# Altium PCB PiTopUSBHub.PcbDoc
Units mm, origin at the board's own origin, x right, y up, seen from the top; angles counter-clockwise.
Board outline 74.62 x 84.41 mm, 2 copper layers (Top Layer, Bottom Layer), stack 1.071 mm thick; 39 components, 35 nets, 177 pads, 39 vias.
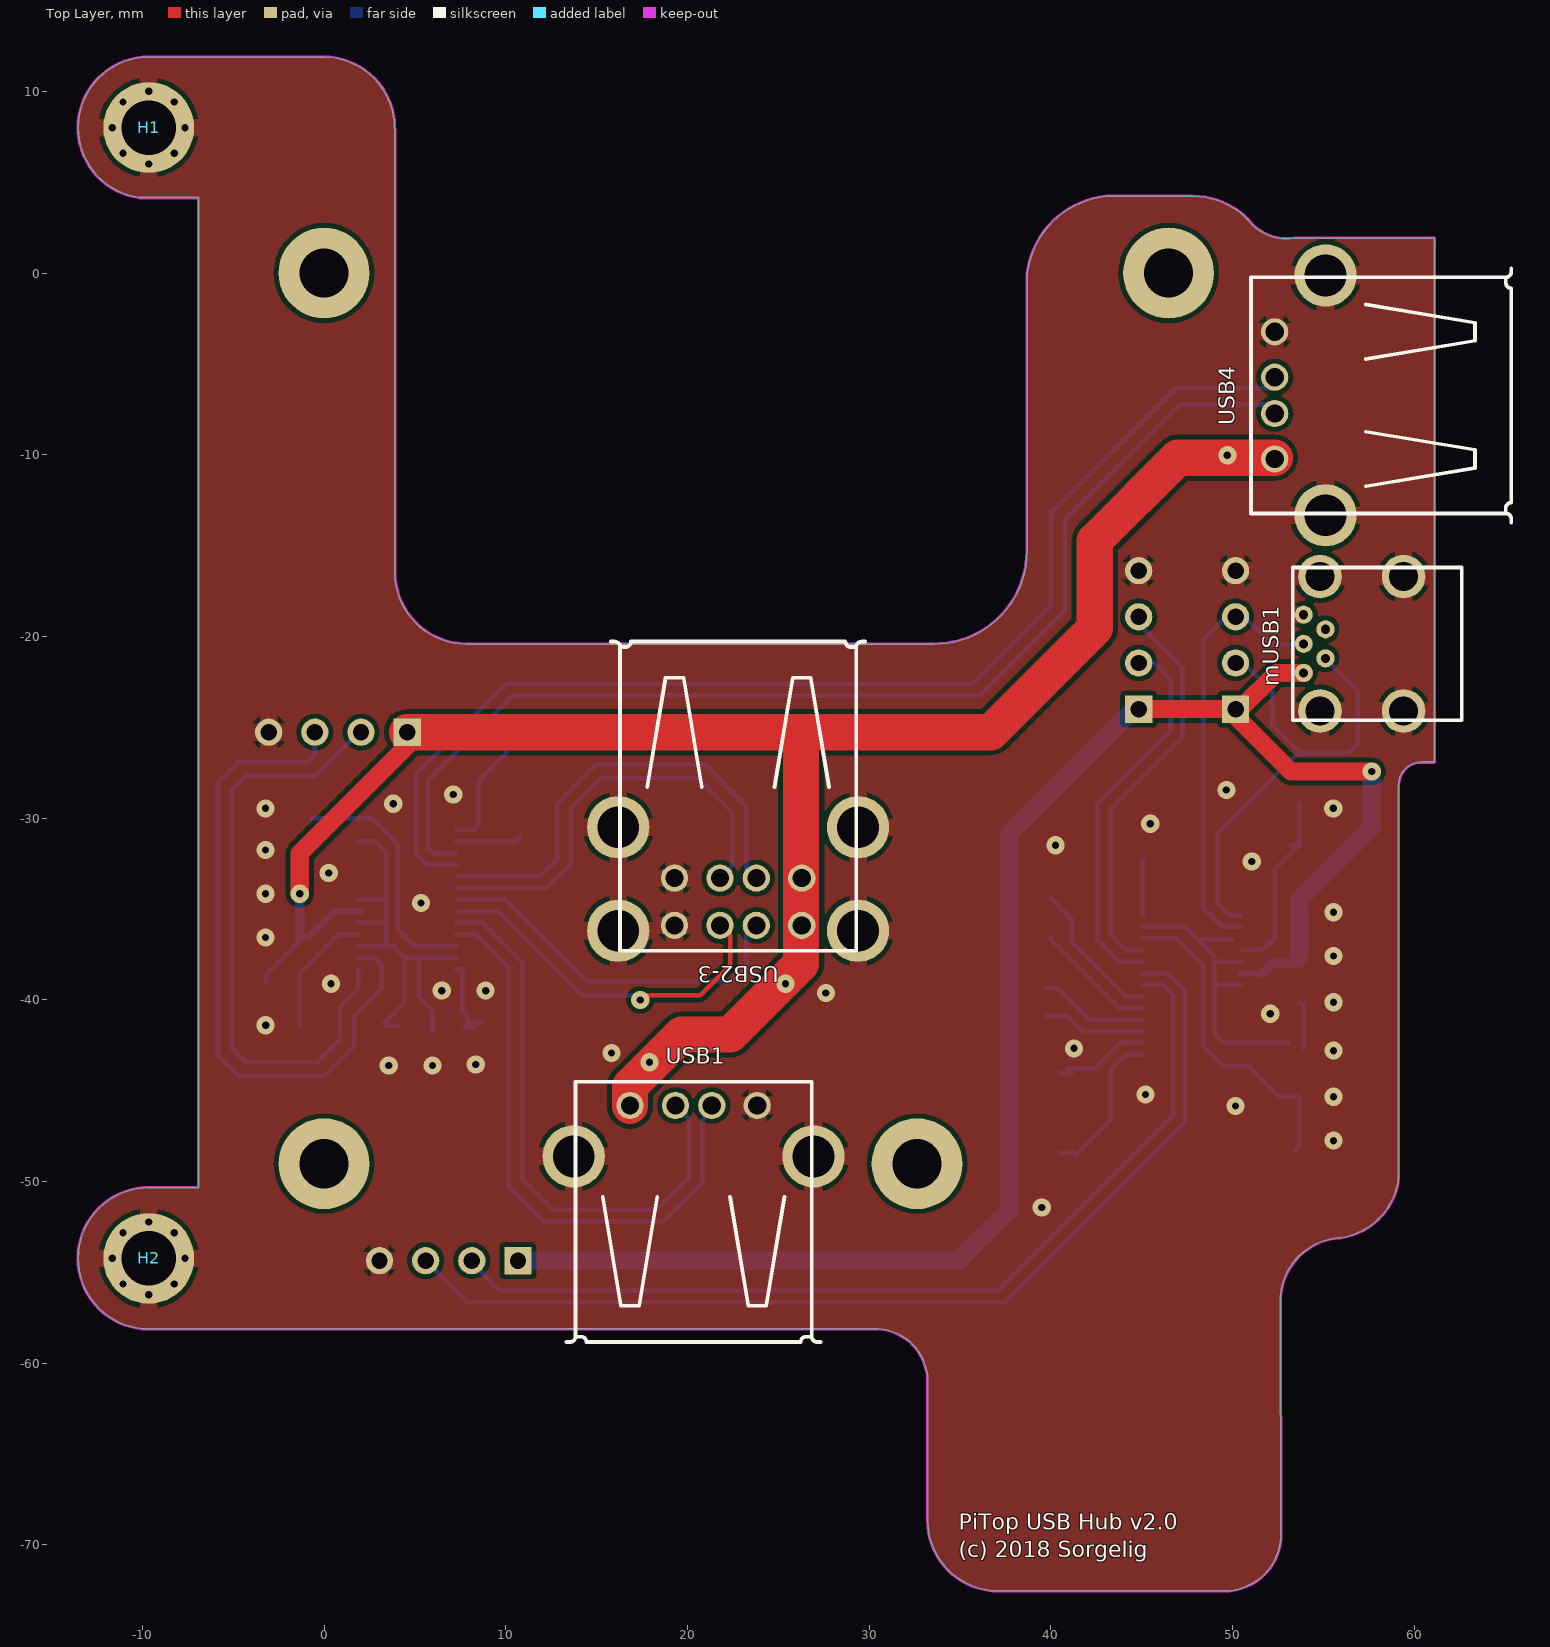
[diagram p0: Top Layer view]
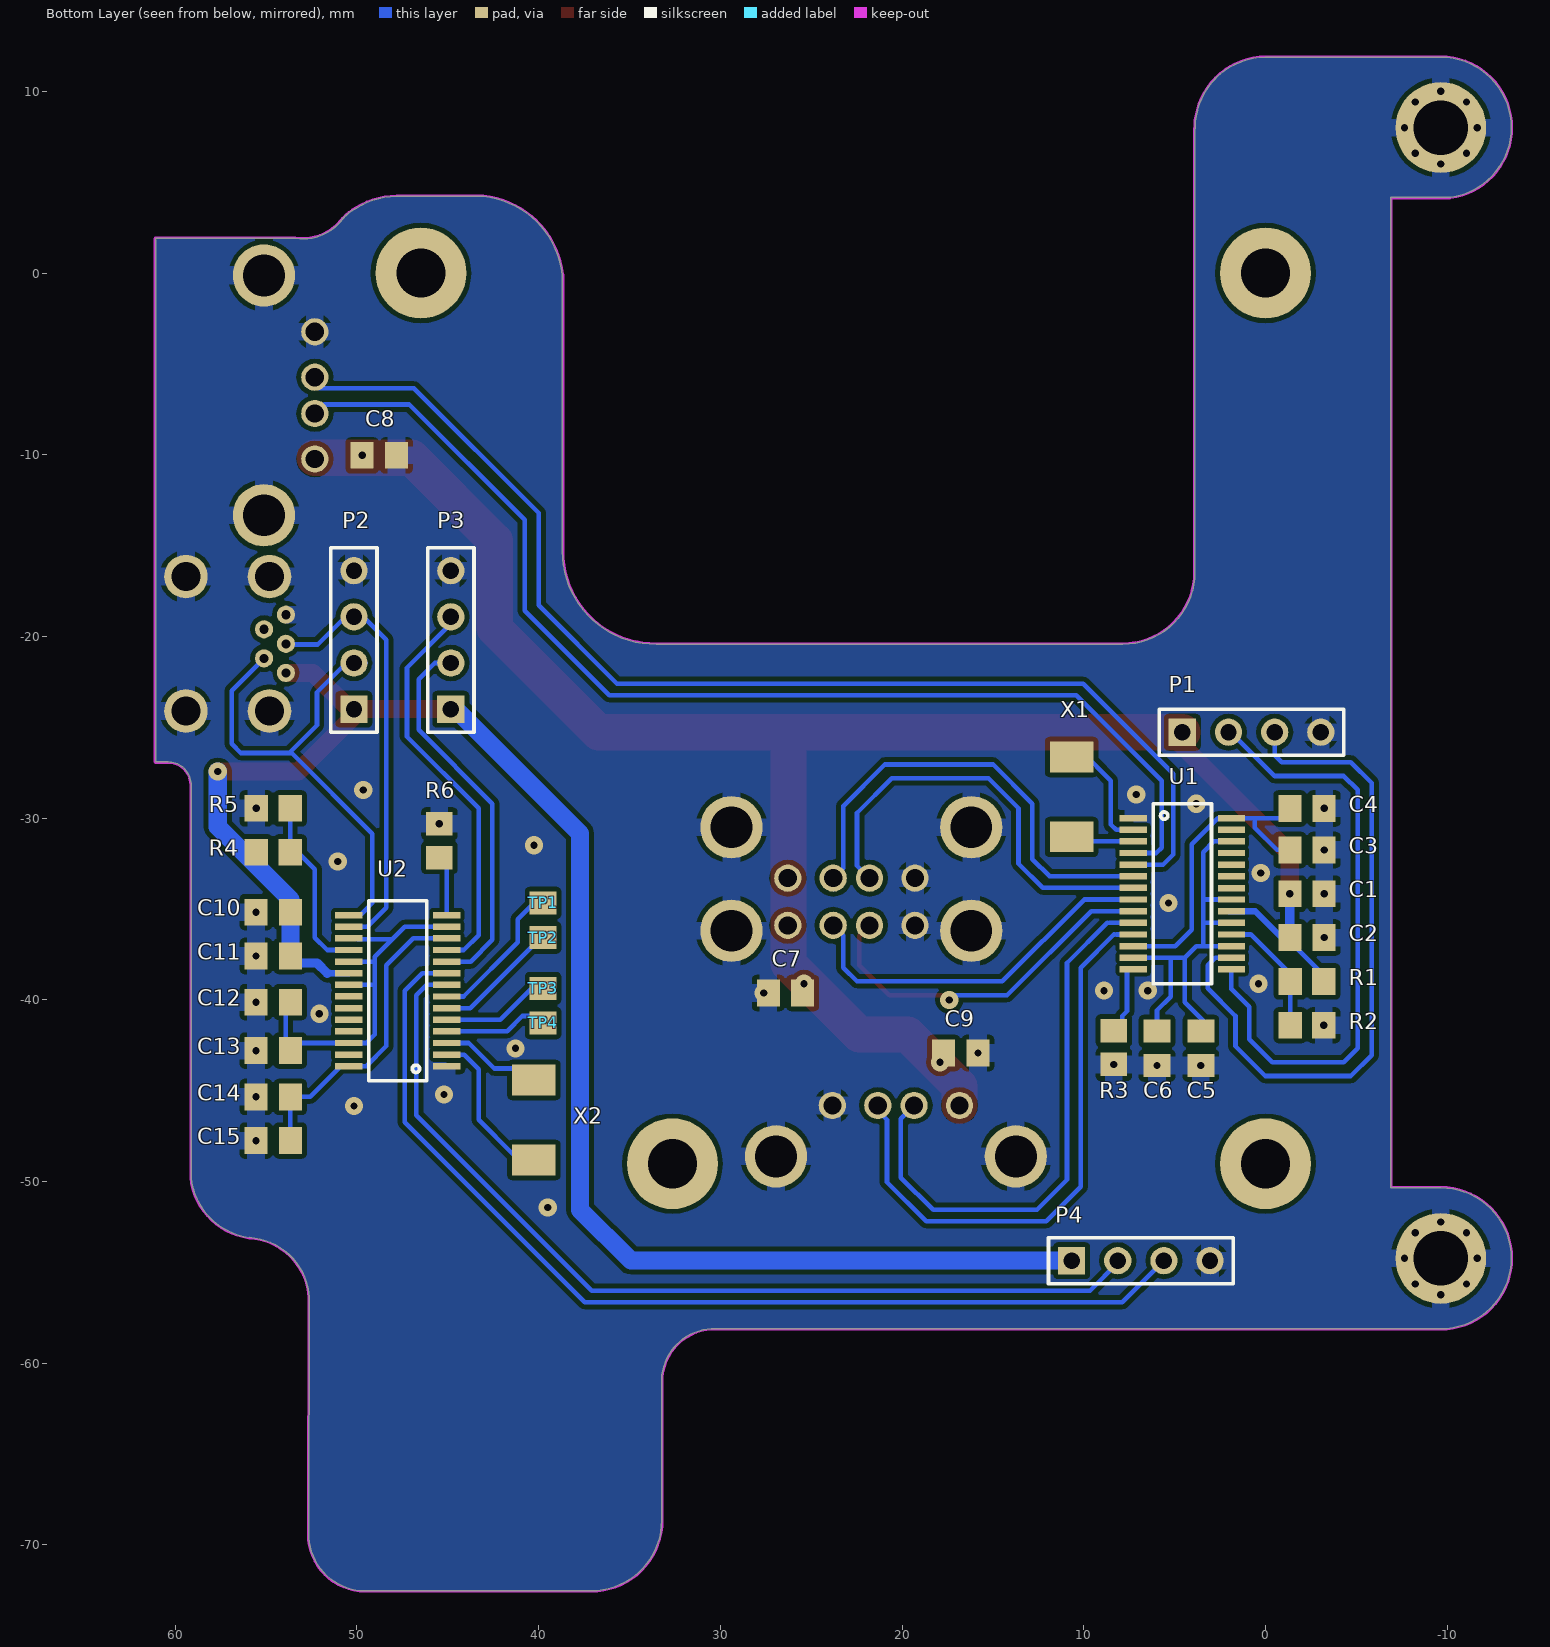
[diagram p1: Bottom Layer view, seen from below]
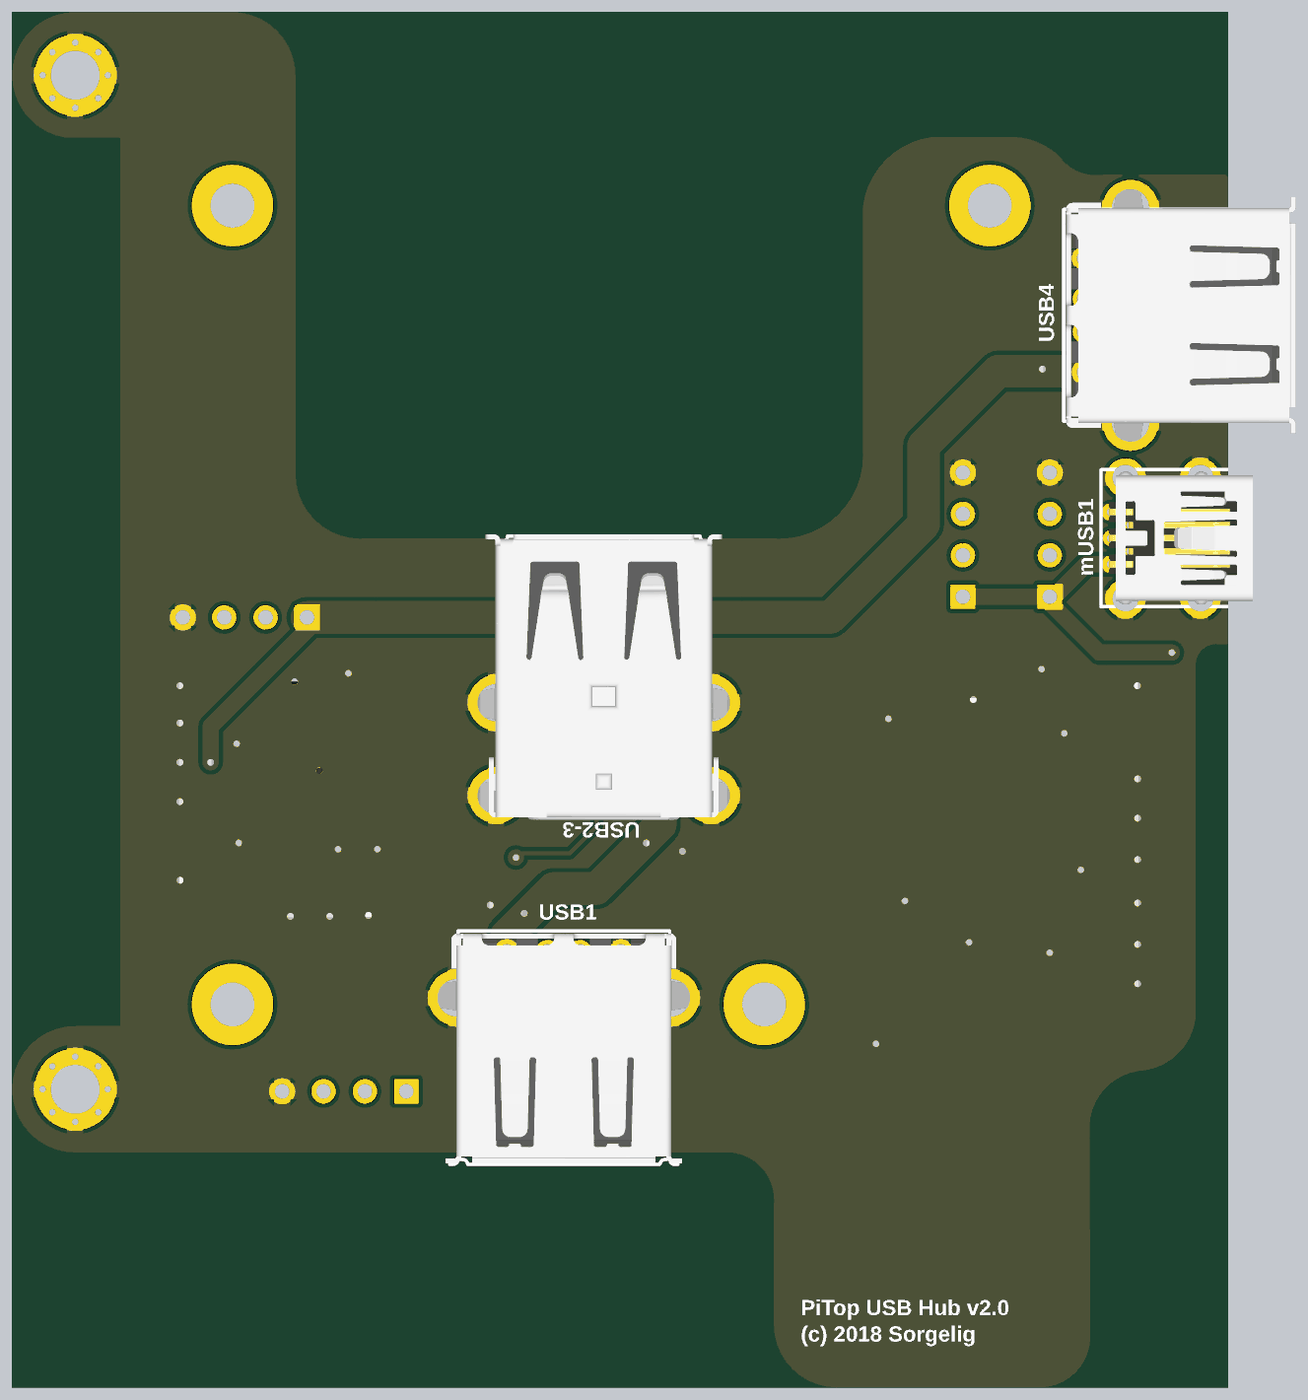
[diagram p2: 3D render of the assembled board from above, using the file's embedded part models]
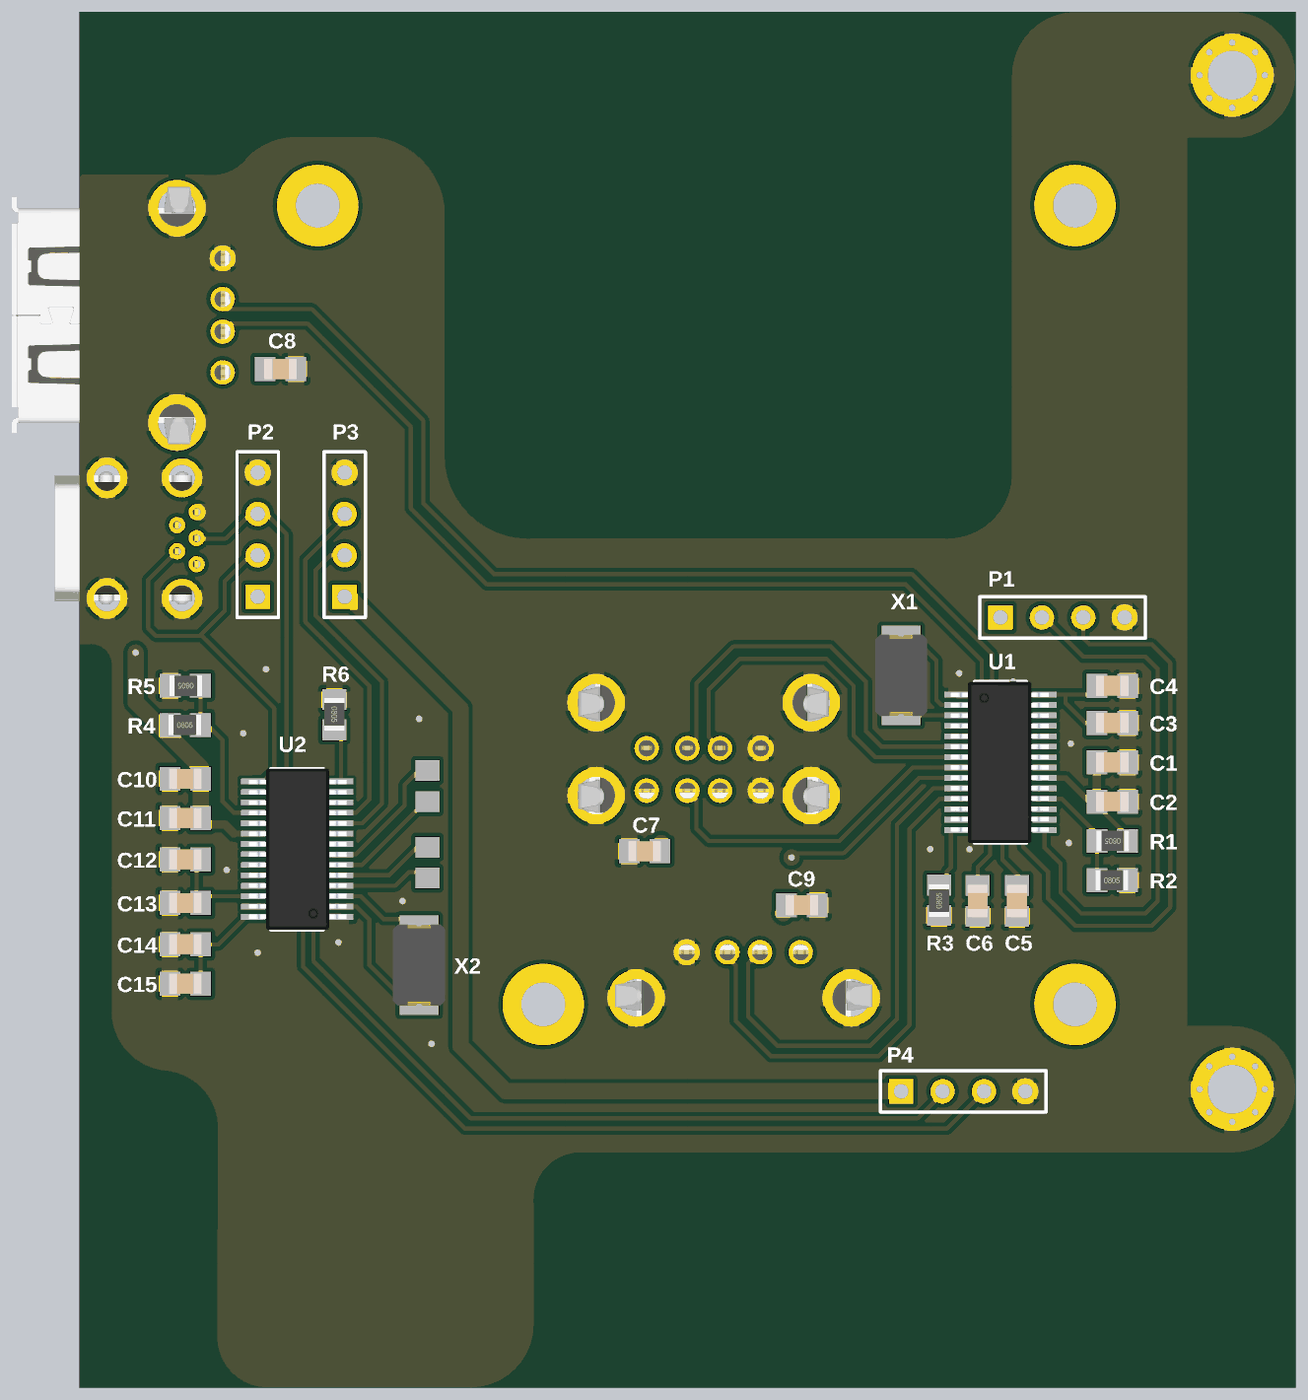
[diagram p3: 3D render of the assembled board from below, using the file's embedded part models]

## Layer stack, top to bottom
Top Solder: solder mask 0.0102, Solder Resist, Dk 3.5
Top Layer: signal copper 0.0356
Dielectric 1: dielectric 1, FR-4, Dk 4.8
Bottom Layer: signal copper 0.0356
Bottom Solder: solder mask 0.0102, Solder Resist, Dk 3.5

## Board outline
-9.652,-58.107 cw(c-9.653,-54.23) -13.53,-54.23 cw(c-9.645,-54.228) -9.652,-50.342 -6.905,-50.342 -6.905,4.159 -10.134,4.159 -10.148,4.159 cw(c-10.164,4.361) -10.192,4.161 cw(c-9.646,8.006) -13.53,8.001 cw(c-9.652,8) -9.66,11.879 0,11.879 cw(c-0.038,7.975) 3.81,8.636 cw(c-0.318,7.884) 3.877,7.787 3.878,-16.462 ccw(c7.844,-16.46) 7.843,-20.426 33.495,-20.426 cw(c33.509,-20.518) 33.521,-20.425 ccw(c33.584,-15.319) 38.691,-15.319 38.691,-0.081 cw(c43.555,-0.651) 43.036,4.219 47.83,4.219 cw(c47.799,0.013) 50.038,3.574 cw(c48.673,1.076) 50.782,2.988 ccw(c52.992,4.622) 53.386,1.901 61.087,1.901 61.087,-26.912 60.397,-26.912 ccw(c60.397,-28.182) 59.127,-28.182 59.127,-28.906 59.127,-43.307 59.127,-49.784 cw(c55.441,-49.41) 55.933,-53.082 ccw(c56.141,-56.611) 52.612,-56.402 52.653,-69.341 cw(c49.545,-69.419) 49.543,-72.528 37.105,-72.528 cw(c37.104,-68.651) 33.227,-68.651 33.227,-61.145 ccw(c30.338,-60.996) 30.486,-58.107

## Design rules (kind name [scope] priority, off if disabled: settings)
BoardOutlineClearance [All] p1: gap=0 ignorepadtopadclearanceinfootprint=FALSE
Clearance keep-out_clearance [InNamedPolygon('ground') vs OnLayer('Keep-Out Layer')] p1: gap=0 ignorepadtopadclearanceinfootprint=FALSE
Clearance [(InComponent('U1') OR InComponent('U2'))] p2: gap=0.2 ignorepadtopadclearanceinfootprint=TRUE except(0: Arc-Hole Track-Hole SMDPad-Hole THPad-Hole Via-Hole Fill-Hole Poly-Hole Region-Hole Text-Hole)
Clearance Clearance_1 [All] p3: gap=0.254 ignorepadtopadclearanceinfootprint=TRUE except(0: Arc-Hole Track-Hole SMDPad-Hole THPad-Hole Via-Hole Fill-Hole Poly-Hole Region-Hole Text-Hole; 0.1: Arc-Arc Arc-Track Arc-SMDPad Track-Track Track-SMDPad)
ComponentClearance [All] p1 off: gap=0.254 collisioncheckmode=3 verticalgap=0.254 showdistances=FALSE
Height [All] p1 off: minheight=0 maxheight=25.4 prefheight=12.7
HoleSize [All] p1: absolutevalues=TRUE maxlimit=6 minlimit=0.025 maxpercent=80.000 minpercent=20.000
MinimumSolderMaskSliver [InComponent('U*')] p1: minsoldermaskwidth=0.2
MinimumSolderMaskSliver MinimumSolderMaskSliver_1 [All] p2: minsoldermaskwidth=0.25
PolygonConnect PolygonConnect_1 [InNet('NetFB*')] p1: connectstyle=Direct reliefconductorwidth=0.762 reliefentries=4 polygonreliefangle="90 Angle" airgapwidth=0.254
PolygonConnect PolygonConnect_2 [IsVia] p2: connectstyle=Direct reliefconductorwidth=0.762 reliefentries=4 polygonreliefangle="90 Angle" airgapwidth=0.254
PolygonConnect [not IsVia] p3: connectstyle=Relief reliefconductorwidth=1 reliefentries=4 polygonreliefangle="90 Angle" airgapwidth=0.254
RoutingVias [All] p1: holewidth=0.4 width=1 viastyle="Through Hole" minholewidth=0.4 minwidth=1 maxholewidth=0.4 maxwidth=1
SilkToSolderMaskClearance [IsPad] p1 off: minsilkscreentomaskgap=0.127 clearancetoexposedcopper=TRUE
SolderMaskExpansion SolderMaskExpansion_U1 [InComponent('U1')] p1: expansion=0
SolderMaskExpansion [All] p2: expansion=0.051
Width Width_power [InNetClass('power')] p1: maxlimit=2 minlimit=0.254 preferedwidth=0.508 minimp=50.000000 maximp=50.000000 favimp=50.000000
Width Width_signal [All] p2: maxlimit=2 minlimit=0.254 preferedwidth=0.254 minimp=50.000000 maximp=50.000000 favimp=50.000000
25 further rules are at their usual default settings.

## Classes and differential pairs
component class PiTopUSBHub_UB: C10 C11 C12 C13 C14 C15 mUSB1 P2 P3 P4 R4 R5 R6 TP1 TP2 TP3 TP4 U2 X2
component class PiTopUSBHub: C1 C2 C3 C4 C5 C6 C7 C8 C9 H1 H2 P1 R1 R2 R3 U1 USB1 USB2-3 USB4 X1
net class power: GND VCC VCC2

## Components (designator, comment, footprint, x,y, rotation, side; value= is the part's Value field where it differs from the comment)
C1 "C0805" C0805 -2.286,-34.163 r180 bottom value=10uF
C2 "C0805" C0805 -2.286,-36.576 r180 bottom value=0.1uF
C3 "C0805" C0805 -2.286,-31.75 r180 bottom value=10uF
C4 "C0805" C0805 -2.286,-29.464 r180 bottom value=0.1uF
C5 "C0805" C0805 3.556,-42.672 r270 bottom value=10uF
C6 "C0805" C0805 5.969,-42.672 r270 bottom value=0.1uF
C7 "C0805" C0805 26.416,-39.624 r0 bottom value=10uF
C8 "C0805" C0805 48.768,-10.033 r180 bottom value=10uF
C9 "C0805" C0805 16.764,-42.926 r180 bottom value=10uF
C10 "C0805" C0805 54.61,-35.179 r0 bottom value=10uF
C11 "C0805" C0805 54.61,-37.592 r0 bottom value=0.1uF
C12 "C0805" C0805 54.61,-40.132 r0 bottom value=10uF
C13 "C0805" C0805 54.61,-42.799 r0 bottom value=0.1uF
C14 "C0805" C0805 54.61,-45.339 r0 bottom value=10uF
C15 "C0805" C0805 54.61,-47.752 r0 bottom value=0.1uF
H1 "M3" M3 -9.652,8.001 r270 top
H2 "M3" M3 -9.652,-54.229 r270 top
mUSB1 "miniUSB-PTH" miniUSB-F-PTH 53.913,-20.407 r90 top
P1 "USB_IN" HDR1X4 4.572,-25.273 r180 bottom
P2 "Header 4" HDR1X4 50.165,-24.003 r90 bottom
P3 "Header 4" HDR1X4 44.831,-24.003 r90 bottom
P4 "Header 4" HDR1X4 10.668,-54.356 r180 bottom
R1 "47K" R0805 -2.286,-38.989 r0 bottom
R2 "100K" R0805 -2.286,-41.402 r180 bottom
R3 "2.7K" R0805 8.345,-42.629 r90 bottom
R4 "47K" R0805 54.61,-31.877 r180 bottom
R5 "100K" R0805 54.61,-29.464 r0 bottom
R6 "2.7K" R0805 45.466,-31.242 r270 bottom
TP1 "TP" TP 39.751,-34.671 r90 bottom
TP2 "TP" TP 39.751,-36.576 r270 bottom
TP3 "TP" TP 39.751,-39.37 r270 bottom
TP4 "TP" TP 39.751,-41.275 r270 bottom
U1 "FE1.1S" FE1.1S_SSOP-28 4.572,-34.163 r270 bottom
U2 "FE1.1S" FE1.1S_SSOP-28 47.752,-39.497 r90 bottom
USB1 "USBA-PTH" USB-A-F-PTH 20.336,-51.217 r0 top locked
USB2-3 "USBA2x-PTH" USB-A-2x-F-PTH 22.789,-27.904 r180 top
USB4 "USBA-PTH" USB-A-F-PTH 57.718,-6.735 r90 top
X1 "12MHz" XTAL_G5032 10.668,-28.829 r90 bottom
X2 "12MHz" XTAL_G5032 40.259,-46.609 r270 bottom

## Footprints (in the part's own frame and the unit in brackets; to place one, negate y for a bottom-side part, rotate by r counter-clockwise, add the part's x,y. Pads: shape width x height; smd on the part's side, far side on the other; paste and mask are expansions set on the pad)
C0805 [mm] "Capacitor, Chip; 2.35 mm L X 1.35 mm W X 1.00 mm H body"
  rect 1.27x1.48 smd: 1(-0.945,0) 2(0.945,0)
  body extent -1,-0.63 1,0.63, height 0.58
FE1.1S_SSOP-28 [mm] "FE1.1S_SSOP-28"
  rect 0.35x1.5 smd mask+0: 1(-4.16,-2.7) 2(-3.52,-2.7) 3(-2.88,-2.7) 4(-2.24,-2.7) 5(-1.6,-2.7) 6(-0.96,-2.7) 7(-0.32,-2.7) 8(0.32,-2.7) 9(0.96,-2.7) 10(1.6,-2.7) 11(2.24,-2.7) 12(2.88,-2.7) 13(3.52,-2.7) 14(4.16,-2.7) 15(4.16,2.7) 16(3.52,2.7) 17(2.88,2.7) 18(2.24,2.7) 19(1.6,2.7) 20(0.96,2.7) 21(0.32,2.7) 22(-0.3,2.7) 23(-0.96,2.7) 24(-1.6,2.7) 25(-2.24,2.7) 26(-2.88,2.7) 27(-3.52,2.7) 28(-4.16,2.7)
  silkscreen extent -4.95,-1.6 4.95,1.6, body extent -4.95,-3.05 4.95,2.95, height 1.65
HDR1X4 [mm] "Connector; Header; 4 Position"
  rect 1.5x1.5 hole 0.9: 1(0,0)
  round 1.5 hole 0.9: 2(2.54,0) 3(5.08,0) 4(7.62,0)
  silkscreen extent -1.27,-1.27 8.89,1.27
M3 [mm] "Mounting Hole, Plated; 5.00 mm Pad, 3.00 mm Hole (with 8 vias)"
  round 0.6 hole 0.4 paste-0.6 mask-0.6: 1(-2,0) 1(-1.41,1.41) 1(-1.41,-1.41) 1(0,2) 1(1.41,1.41) 1(1.41,-1.41) 1(2,0)
  round 5 hole 3: 1(0,0)
  round 0.6 hole 0.4 paste-0.4 mask-0.4: 1(0,-2)
miniUSB-F-PTH [mm] "miniUSB-F-PTH"
  round 1 hole 0.5: D+(0,0) D-(-0.8,-1.2) GND(1.6,0) ID(0.8,-1.2) VBUS(-1.6,0)
  round 2.4 hole 1.6: GND(-3.7,-5.5) GND(-3.7,-0.9) GND(3.7,-5.5) GND(3.7,-0.9)
  silkscreen extent -4.2,-8.7 4.2,0.6, body extent -4.08,-8.7 4.07,0.13, height 3.95
R0805 [mm] "Resistor, Chip; 2.32 mm L X 1.25 mm W X 1.00 mm H body"
  rect 1.29x1.47 smd: 1(-0.93,0) 2(0.93,0)
  body extent -1.03,-0.62 0.97,0.63, height 0.42
TP [mm] "test point"
  rect 1.27x1.48 smd: 1(0,0)
USB-A-2x-F-PTH [mm] "USB-A-2x-F-PTH"
  round 1.5 hole 1: D1+(1,5.4) D1-(-1,5.4) D2+(1,8) D2-(-1,8) GND(3.5,5.4) GND(3.5,8) VBUS(-3.5,5.4) VBUS(-3.5,8)
  round 3.429 hole 2.3: GND(-6.6,8.3) GND(-6.6,2.6) GND(6.6,8.3) GND(6.6,2.6)
  silkscreen extent -7,-7.62 7,9.4, body extent -7.7,-7.73 7.7,9.8, height 3.15
USB-A-F-PTH [mm] "USB-A-F-PTH"
  round 1.5 hole 1: D+(1,5.4) D-(-1,5.4) GND(3.5,5.4) VBUS(-3.5,5.4)
  round 3.429 hole 2.3: GND(-6.6,2.6) GND(6.6,2.6)
  silkscreen extent -7,-7.62 7,6.7, body extent -7.9,-7.55 7.9,6.55, height 7.74
XTAL_G5032 [mm] "XTAL G5032"
  rect 1.7x2.4 smd: 1(-2.2,0) 2(2.2,0)
  body extent -2.5,-1.6 2.5,1.6, height 1.35

## Part data
C1 C2 C3 C4 C5 C6 C7 C8 C9 C10 C11 C12 C13 C14 C15: "Ceramic Chip Capacitor - Standard", PackageDocument=Mar-2001, Code_IPC=2012[0805], Code_JEITA=0805, ComponentLink1Description="Manufacturer Link", ComponentLink1URL=http://www.kemet.com/, ComponentLink2Description=Datasheet, ComponentLink2URL=http://www.kemet.com/kemet/web/homepage/kechome.nsf/vapubfilesname/F3102TA.pdf/$file/F3102TA.pdf, DatasheetDocument=Mar-2001, LatestRevisionDate=19-Mar-2004, LatestRevisionNote="Silkscreen size reduced.", Note="Footprint corresponds to dimensions for bulk cassette packaging. This case size has tightened tolerances.", PackageReference=0805, Published=17-Jul-2002, Publisher="Altium Limited"
mUSB1: library part miniUSBA-PTH, USB=USB
P1: library part "Header 4", "Header, 4-Pin", LatestRevisionDate=17-Jul-2002, LatestRevisionNote="Re-released for DXP Platform.", Publisher="Altium Limited"
P2 P3 P4: "Header, 4-Pin", LatestRevisionDate=17-Jul-2002, LatestRevisionNote="Re-released for DXP Platform.", Publisher="Altium Limited"
R1 R2 R3 R4 R5 R6: library part ERJ6RS, "Low Ohmic Value Thick Film Chip Resistor, 0.1 Ohm to 0.2 Ohm Range, 1%, 2% and 5% Tolerance, 0805 Size, 0.125 W", PackageDocument=Mar-2003, Code_IPC="2012 [0805]", ComponentLink1Description="Manufacturer Link", ComponentLink1URL=http://www.panasonic.com/industrial/components/resistive_products.htm, ComponentLink2Description=Datasheet, ComponentLink2URL=http://www.panasonic.com/industrial/components/pdf/AOA0000CE3.pdf, LatestRevisionDate=19-Mar-2004, LatestRevisionNote="Silkscreen size reduced.", PackageReference=6-0805, Published=17-Dec-2003, Publisher="Altium Limited"
X1 X2: library part CRYSTALHC49UP, "PTH: ...   SMD: ...   Cylinder: CMR200T-32.768KDZBT"
U1 U2: FE1.1s=FE1.1s
USB1 USB2-3 USB4: USB=USB

## Free pads (board coordinates)
  round 5 hole 2.7: ""(0,-49.022) ""(0,0) ""(32.639,-49.022) ""(46.482,0)

## Via types
v1: diameter 1, hole 0.4, Top Layer to Bottom Layer, tented both sides, 39 vias

## Nets (pads, with @x,y where several pads share a name; then routed paths per layer and width w, separated by ;. In a path a pad name is that pad's centre, name@x,y a point inside that pad or via, vN(x,y) a via of type N, cw(c..) or ccw(c..) an arc to the next point about the centre after c; other vN are vias at no path point)
DM3: TP2.1 U2.6 | length 6.7
  Bottom Layer w0.254: TP2.1@40.005,-36.576 40.005,-36.703 43.759,-40.457 U2.6
DM4: TP4.1 U2.4 | length 5.7
  Bottom Layer w0.254: TP4.1@39.751,-40.894 40.894,-40.894 41.737,-41.737 U2.4
DP3: TP1.1 U2.7 | length 8
  Bottom Layer w0.254: TP1.1@40.005,-34.417 41.148,-35.56 41.148,-36.83 44.135,-39.817 U2.7
DP4: TP3.1 U2.5 | length 6
  Bottom Layer w0.254: TP3.1 40.386,-39.37 42.113,-41.097 U2.5
GND: C1.2 C2.2 C3.2 C4.2 C5.2 C6.2 C7.2 C8.2 C9.2 C10.2 C11.2 C12.2 C13.2 C14.2 C15.2 H1.1 H2.1 mUSB1.GND P1.4 P2.4 P3.4 P4.4 R2.2 R3.1 R5.2 R6.1 U1.1 U2.1 USB1.GND USB2-3.GND USB4.GND
  other v1: 39.497,-51.435 55.555,-47.752 50.165,-45.847 55.555,-45.339 45.212,-45.212 3.556,-43.617 5.969,-43.617 8.345,-43.559 15.819,-42.926 55.555,-42.799 41.275,-42.672 -3.216,-41.402 52.07,-40.767 55.555,-40.132 27.615,-39.624 6.477,-39.497 8.89,-39.497 0.381,-39.116 55.555,-37.592 -3.231,-36.576 55.555,-35.179 5.334,-34.671 -3.231,-34.163 0.254,-33.02 51.054,-32.385 -3.231,-31.75 40.259,-31.496 45.466,-30.312 -3.231,-29.464 55.54,-29.464 3.81,-29.21 7.112,-28.702 49.657,-28.448
NetC3_1: C3.1 C4.1 U1.12 U1.28 | length 16.7
  Bottom Layer w0.254: C3.1@-1.341,-31.877 C3.1 -0.635,-31.75 0.583,-30.532 0.583,-30.003 ; -0.706,-30.003 0.583,-30.003 ; U1.12 4.968,-37.043 4.064,-36.139 4.064,-31.448 2.619,-30.003 U1.28 0.583,-30.003
NetC5_1: C5.1 C6.1 U1.13 U1.17 U1.19 U1.21 U1.26 | length 24.8
  Bottom Layer w0.254: U1.17 3.429,-37.043 ; U1.19 3.378,-35.763 3.429,-35.814 ; U1.21 3.368,-34.483 3.429,-34.544 ; U1.26 2.835,-31.283 3.429,-31.877 3.429,-34.544 ; C5.1@3.304,-41.273 4.445,-40.132 4.445,-37.683 ; C5.1@3.394,-41.437 C5.1@4.064,-41.437 ; 5.207,-37.817 5.207,-39.824 5.968,-40.585 C6.1@5.968,-41.273 ; C6.1 C6.1@5.969,-41.221 ; U1.13 4.445,-37.683 ; 3.429,-37.043 3.805,-37.043 4.445,-37.683 ; 3.429,-37.043 3.429,-35.814 ; 3.429,-35.814 3.429,-34.544
NetC12_1: C12.1 C13.1 U2.13 U2.17 U2.19 U2.21 U2.26 | length 20.5
  Bottom Layer w0.254: U2.13 47.371,-35.977 49.022,-37.628 49.022,-37.897 ; 48.097,-36.658 U2.17@49.985,-36.658 ; U2.21 49.022,-39.177 ; U2.19 49.022,-37.897 ; C13.1@53.116,-42.377 U2.26 49.489,-42.377 49.022,-41.91 49.022,-39.177 ; C12.1 C12.1@53.729,-40.195 ; C13.1@53.919,-42.672 C12.1@53.919,-40.195 ; 49.022,-39.177 49.022,-37.897
NetC14_1: C14.1 C15.1 U2.12 U2.28 | length 17.6
  Bottom Layer w0.254: U2.12 46.904,-36.617 48.387,-38.1 48.387,-42.545 49.499,-43.657 U2.28 50.896,-43.657 52.578,-45.339 C14.1 ; C15.1@53.411,-48.26 53.665,-48.006 C15.1 C14.1@53.665,-45.593
NetmUSB1_D+: mUSB1.D+ P2.3 U2.16 | length 24
  Bottom Layer w0.254: U2.16 49.439,-35.977 48.387,-34.925 48.387,-20.193 49.657,-18.923 P2.3 50.632,-18.923 52.156,-20.447 53.699,-20.447 mUSB1.D+@53.913,-20.661
NetmUSB1_D-: mUSB1.D- P2.2 U2.15 | length 28.1
  Bottom Layer w0.254: P2.2@49.53,-21.463 P2.2 50.587,-21.463 52.197,-23.073 52.197,-24.892 53.657,-26.352 ; U2.15 49.815,-35.337 49.149,-34.671 49.149,-30.861 53.594,-26.416 56.395,-26.416 56.896,-25.915 56.896,-22.987 55.243,-21.334 mUSB1.D-@54.859,-21.334
NetP1_2: P1.2 U1.15 | length 33.7
  Bottom Layer w0.254: U1.15 1.872,-39.403 0.889,-40.386 0.889,-42.164 -0.381,-43.434 -4.318,-43.434 -5.08,-42.672 -5.08,-28.448 -4.318,-27.686 -0.508,-27.686 1.905,-25.273 P1.2
NetP1_3: P1.3 U1.16 | length 37.4
  Bottom Layer w0.254: P1.3 -0.508,-26.543 -0.889,-26.924 -4.699,-26.924 -5.842,-28.067 -5.842,-43.053 -4.699,-44.196 0,-44.196 1.651,-42.545 1.651,-40.894 3.175,-39.37 3.175,-38.1 2.758,-37.683 U1.16
NetP3_2: P3.2 U2.10 | length 21.4
  Bottom Layer w0.254: P3.2@44.577,-21.463 P3.2 45.72,-21.463 46.609,-22.352 46.609,-25.146 42.545,-29.21 42.545,-36.703 43.739,-37.897 U2.10
NetP3_3: P3.3 U2.11 | length 22.4
  Bottom Layer w0.254: U2.11 44.115,-37.257 43.307,-36.449 43.307,-29.464 47.244,-25.527 47.244,-21.717 44.831,-19.304 P3.3@45.212,-18.923
NetP4_2: P4.2 U2.8 | length 52.3
  Bottom Layer w0.254: P4.2@7.619,-54.481 8.128,-54.481 9.654,-56.007 37.084,-56.007 46.736,-46.355 46.736,-39.751 46.162,-39.177 U2.8
NetP4_3: P4.3 U2.9 | length 57.2
  Bottom Layer w0.254: P4.3@6.134,-54.094 5.73,-54.498 7.874,-56.642 37.465,-56.642 47.371,-46.736 47.371,-39.497 46.411,-38.537 U2.9
NetR1_2: R1.2 R2.1 U1.18 | length 7
  Bottom Layer w0.254: R2.1 R1.2 -1.356,-38.567 0.808,-36.403 U1.18
NetR3_2: R3.2 U1.14 | length 4.7
  Bottom Layer w0.254: U1.14 7.589,-38.323 7.62,-38.354 7.62,-40.64 7.874,-40.894 7.874,-41.273 R3.2@8.636,-41.273 ; R3.2@7.746,-41.527 R3.2@8.255,-41.527
NetR4_2: R4.2 R5.1 U2.18 | length 10.5
  Bottom Layer w0.254: U2.18 51.643,-37.257 52.324,-36.576 52.324,-32.81 R4.2@53.596,-31.539 ; R4.2@53.213,-31.496 53.68,-31.496 R5.1 R5.1@53.68,-29.188
NetR6_2: R6.2 U2.14 | length 3
  Bottom Layer w0.254: U2.14 R6.2@45.052,-32.309
NetU1_2: U1.2 X1.2 | length 6.3
  Bottom Layer w0.254: U1.2 8.219,-30.643 8.509,-30.353 8.509,-27.94 10.068,-26.381 X1.2@10.068,-26.067
NetU1_3: U1.3 X1.1 | length 3.6
  Bottom Layer w0.254: U1.3 10.541,-31.283 X1.1@10.795,-31.029
NetU1_4: U1.4 USB4.D- | length 63.3
  Bottom Layer w0.254: U1.4 6.015,-31.923 5.715,-31.623 5.715,-27.94 10.414,-23.241 36.109,-23.241 40.767,-18.583 40.767,-13.589 47.117,-7.239 51.807,-7.239 USB4.D-@51.807,-7.611
NetU1_5: U1.5 USB4.D+ | length 66
  Bottom Layer w0.254: U1.5 5.639,-32.563 5.08,-32.004 5.08,-27.559 10.033,-22.606 35.687,-22.606 40.005,-18.288 40.005,-13.208 46.863,-6.35 52.07,-6.35 USB4.D+@52.324,-6.096
NetU1_6: U1.6 USB2-3.D1- | length 25.9
  Bottom Layer w0.254: U1.6@7.399,-33.203 11.882,-33.203 12.827,-32.258 12.827,-29.21 14.986,-27.051 20.955,-27.051 23.241,-29.337 23.241,-32.756 USB2-3.D1- ; USB2-3.D1-@23.368,-33.528 USB2-3.D1-@23.749,-33.909
NetU1_7: U1.7 USB2-3.D1+ | length 24
  Bottom Layer w0.254: U1.7@7.399,-33.843 12.258,-33.843 13.589,-32.512 13.589,-29.464 15.24,-27.813 20.574,-27.813 22.479,-29.718 22.479,-32.614 USB2-3.D1+
NetU1_8: U1.8 USB2-3.D2- | length 20.6
  Bottom Layer w0.254: U1.8@7.399,-34.483 9.972,-34.483 14.478,-38.989 22.479,-38.989 23.241,-38.227 23.241,-36.452 USB2-3.D2-
NetU1_9: U1.9 USB2-3.D2+ | length 20.2
  Top Layer w0.254: v1(17.399,-40.005) 17.526,-40.005 17.78,-39.751 20.701,-39.751 22.352,-38.1 22.352,-36.467 USB2-3.D2+
  Bottom Layer w0.254: U1.9@7.399,-35.123 9.596,-35.123 14.224,-39.751 17.018,-39.751 17.272,-40.005 v1(17.399,-40.005)
NetU1_10: U1.10 USB1.D- | length 31.2
  Bottom Layer w0.254: U1.10 8.585,-35.763 ; 8.712,-35.763 10.922,-37.973 10.922,-49.911 12.573,-51.562 18.288,-51.562 20.066,-49.784 20.066,-46.547 USB1.D-
NetU1_11: U1.11 USB1.D+ | length 32.6
  Bottom Layer w0.254: U1.11 8.209,-36.403 ; 8.336,-36.403 10.16,-38.227 10.16,-50.292 12.065,-52.197 18.669,-52.197 20.828,-50.038 20.828,-46.609 USB1.D+@21.336,-46.101 ; USB1.D+@21.336,-45.847 USB1.D+@21.336,-46.101 ; USB1.D+ USB1.D+@21.336,-46.101
NetU2_2: U2.2 X2.2 | length 8.5
  Bottom Layer w0.254: X2.2@40.513,-48.428 41.23,-48.428 41.316,-48.514 41.402,-48.514 43.307,-46.609 43.307,-43.815 44.105,-43.017 U2.2
NetU2_3: U2.3 X2.1 | length 5.7
  Bottom Layer w0.254: X2.1@40.513,-44.028 41.148,-44.028 40.901,-43.781 42.452,-43.781 43.856,-42.377 U2.3
VCC: C1.1 C2.1 C7.1 C8.1 C9.1 P1.1 R1.1 U1.20 USB1.VBUS USB2-3.VBUS USB4.VBUS | length 104.1
  Top Layer w1: v1(-1.341,-34.163) -1.341,-31.948 5.334,-25.273
  Top Layer w2: P1.1 5.334,-25.273 36.703,-25.273 42.418,-19.558 42.418,-14.732 46.99,-10.16 USB4.VBUS@52.318,-10.16 ; USB1.VBUS@16.836,-45.847 16.836,-44.759 19.685,-41.91 22.352,-41.91 26.249,-38.013 26.249,-25.654
  Bottom Layer w0.254: R1.1 -3.216,-38.649 -1.341,-36.774 C2.1
  Bottom Layer w0.35: C2.1 -0.889,-36.576 0.553,-35.134 U1.20@1.988,-35.134
  Bottom Layer w0.508: C2.1 v1(-1.341,-34.163) ; USB1.VBUS USB1.VBUS@16.947,-45.706 ; USB4.VBUS@52.318,-10.108 USB4.VBUS@52.63,-10.108
  other v1: 17.907,-43.434 25.4,-39.116 49.713,-10.033
VCC2: C10.1 C11.1 mUSB1.VBUS P2.1 P3.1 P4.1 R4.1 U2.20 | length 92.5
  Top Layer w1: P3.1@44.577,-24.003 P3.1 P2.1@49.784,-24.003 ; mUSB1.VBUS 52.415,-22.007 50.419,-24.003 P2.1 50.165,-24.384 53.213,-27.432 v1(57.658,-27.432)
  Bottom Layer w0.35: U2.20 51.633,-38.537
  Bottom Layer w0.508: 51.633,-38.537 52.197,-37.973 C11.1@53.665,-37.973
  Bottom Layer w1: P4.1 34.925,-54.356 37.719,-51.562 37.719,-30.861 P3.1@44.577,-24.003 ; C11.1 C10.1 ; C10.1@53.665,-34.854 53.665,-34.473 57.658,-30.48 v1(57.658,-27.432)
pads on no net: mUSB1.ID U1.22 U1.23 U1.24 U1.25 U1.27 U2.22 U2.23 U2.24 U2.25 U2.27

## Polygon pours and split planes (outlines as drawn)
GND on Bottom Layer "ground" (solid, remove dead copper, pour order 7): -9.652,-58.107 cw(c-9.653,-54.23) -13.53,-54.23 cw(c-9.644,-54.228) -9.652,-50.342 -6.905,-50.342 -6.905,4.159 -10.134,4.159 -10.148,4.159 cw(c-10.164,4.36) -10.192,4.161 cw(c-9.646,8.006) -13.53,8.001 cw(c-9.651,8) -9.66,11.879 0,11.879 cw(c-0.038,7.975) 3.81,8.636 cw(c-0.318,7.883) 3.877,7.787 3.878,-16.462 ccw(c7.844,-16.459) 7.843,-20.426 33.495,-20.426 cw(c33.51,-20.518) 33.521,-20.425 ccw(c33.584,-15.319) 38.691,-15.319 38.691,-0.081 cw(c43.556,-0.651) 43.036,4.219 47.83,4.219 cw(c47.799,0.013) 50.038,3.574 cw(c48.673,1.076) 50.782,2.988 ccw(c52.992,4.622) 53.386,1.901 61.087,1.901 61.087,-26.912 60.397,-26.912 ccw(c60.397,-28.182) 59.127,-28.182 59.127,-28.906 59.127,-43.307 59.127,-49.784 cw(c55.441,-49.41) 55.933,-53.082 ccw(c56.141,-56.611) 52.612,-56.402 52.653,-69.341 cw(c49.545,-69.419) 49.543,-72.528 37.105,-72.528 cw(c37.104,-68.651) 33.227,-68.651 33.227,-61.145 ccw(c30.338,-60.996) 30.486,-58.107
GND on Top Layer "ground" (solid, remove dead copper, pour order 6): -9.652,-58.107 cw(c-9.653,-54.23) -13.53,-54.23 cw(c-9.644,-54.228) -9.652,-50.342 -6.905,-50.342 -6.905,4.159 -10.134,4.159 -10.148,4.159 cw(c-10.164,4.36) -10.192,4.161 cw(c-9.646,8.006) -13.53,8.001 cw(c-9.651,8) -9.66,11.879 0,11.879 cw(c-0.038,7.975) 3.81,8.636 cw(c-0.318,7.883) 3.877,7.787 3.878,-16.462 ccw(c7.844,-16.459) 7.843,-20.426 33.495,-20.426 cw(c33.51,-20.518) 33.521,-20.425 ccw(c33.584,-15.319) 38.691,-15.319 38.691,-0.081 cw(c43.556,-0.651) 43.036,4.219 47.83,4.219 cw(c47.799,0.013) 50.038,3.574 cw(c48.673,1.076) 50.782,2.988 ccw(c52.992,4.622) 53.386,1.901 61.087,1.901 61.087,-26.912 60.397,-26.912 ccw(c60.397,-28.182) 59.127,-28.182 59.127,-28.906 59.127,-43.307 59.127,-49.784 cw(c55.441,-49.41) 55.933,-53.082 ccw(c56.141,-56.611) 52.612,-56.402 52.653,-69.341 cw(c49.545,-69.419) 49.543,-72.528 37.105,-72.528 cw(c37.104,-68.651) 33.227,-68.651 33.227,-61.145 ccw(c30.338,-60.996) 30.486,-58.107

## Keep-outs
Keep-Out Layer:
  lines w0.1: 50.819,3.021 ccw(c48.673,1.076) 50.818,3.022 ; 55.939,-53.132 ccw(c55.441,-49.41) 55.94,-53.131 ; -13.58,-54.23 ccw(c-13.53,-54.23) -13.58,-54.23 ; -13.58,-54.23 cw(c-13.53,-54.23) -13.58,-54.23 cw(c-9.645,-54.228) -9.661,-50.293 cw(c-9.652,-50.342) -9.652,-50.292 -6.955,-50.292 -6.955,4.109 -10.134,4.109 ; -13.58,-54.23 ccw(c-9.653,-54.23) -9.652,-58.157 30.484,-58.157 cw(c30.338,-60.996) 33.181,-60.996 cw(c30.338,-60.996) 33.177,-61.142 ccw(c33.227,-61.145) 33.177,-61.145 ; -13.58,8.001 cw(c-9.652,8) -9.668,11.928 cw(c-9.66,11.879) -9.66,11.929 0,11.929 ; -13.58,8.001 ccw(c-13.53,8.001) -13.58,8.001 ccw(c-9.646,8.006) -10.201,4.112 ccw(c-10.192,4.161) -10.199,4.111 ccw(c-10.164,4.361) -10.147,4.109 -10.136,4.109 ; -13.58,8.001 ccw(c-13.53,8.001) -13.58,8.001 ; -10.136,4.109 ccw(c-10.134,4.159) -10.134,4.109 ; -10.136,4.109 ccw(c-10.134,4.159) -10.134,4.109 ; -10.136,4.109 ccw(c-10.134,4.159) -10.136,4.109 ; -10.136,4.109 -10.136,4.109 ; -10.136,4.109 -10.136,4.109 ; 0,11.929 cw(c0,11.879) 0.001,11.929 ; 0,11.929 cw(c0,11.879) 0.001,11.929 ; 0.001,11.929 cw(c-0.038,7.975) 3.859,8.649 cw(c3.81,8.636) 3.859,8.645 cw(c-0.318,7.884) 3.928,7.884 cw(c-0.318,7.884) 3.927,7.791 cw(c3.877,7.787) 3.927,7.787 3.928,-16.462 ; 3.928,-16.462 ccw(c3.878,-16.462) 3.928,-16.462 ; 3.928,-16.462 ccw(c7.844,-16.46) 7.843,-20.376 ; 7.843,-20.376 ccw(c7.843,-20.426) 7.843,-20.376 ; 7.843,-20.376 ccw(c7.843,-20.426) 7.843,-20.376 ; 7.843,-20.376 ccw(c7.843,-20.426) 7.843,-20.376 ; 7.843,-20.376 33.492,-20.376 cw(c33.509,-20.518) 33.52,-20.375 cw(c33.521,-20.425) 33.521,-20.375 ccw(c33.584,-15.319) 38.641,-15.319 cw(c38.691,-15.319) 38.641,-15.314 38.641,-0.081 ; 33.177,-68.651 ccw(c33.227,-68.651) 33.177,-68.651 ; 33.177,-68.651 ccw(c33.227,-68.651) 33.177,-68.651 ; 33.177,-68.651 ccw(c37.104,-68.651) 37.105,-72.578 49.543,-72.578 ccw(c49.545,-69.419) 52.704,-69.419 ccw(c49.545,-69.419) 52.703,-69.34 ; 33.177,-68.651 33.177,-61.145 ; 33.177,-61.145 33.177,-61.145 ; 38.641,-0.081 cw(c38.691,-0.081) 38.641,-0.075 ; 38.641,-0.081 cw(c38.691,-0.081) 38.641,-0.075 ; 38.641,-0.075 cw(c43.555,-0.651) 43.026,4.268 cw(c43.036,4.219) 43.036,4.269 47.83,4.269 ; 47.831,4.269 ccw(c47.799,0.013) 47.831,4.269 ; 47.831,4.269 cw(c47.799,0.013) 50.063,3.617 cw(c48.673,1.076) 50.818,3.022 ; 47.831,4.269 ccw(c47.83,4.219) 47.83,4.269 ; 47.831,4.269 ccw(c47.83,4.219) 47.83,4.269 ; 50.818,3.022 cw(c50.782,2.988) 50.822,3.017 ccw(c52.992,4.622) 53.378,1.951 ; 52.703,-69.341 ccw(c52.653,-69.341) 52.703,-69.341 ; 52.703,-69.341 52.703,-69.34 ; 52.703,-69.34 ccw(c49.545,-69.419) 52.703,-69.34 ; 52.703,-69.34 52.662,-56.404 cw(c56.141,-56.611) 55.935,-53.132 ccw(c55.933,-53.082) 55.94,-53.131 ; 53.378,1.951 cw(c53.386,1.901) 53.386,1.951 ; 53.378,1.951 cw(c53.386,1.901) 53.386,1.951 ; 53.386,1.951 61.087,1.951 ; 53.386,1.951 53.386,1.951 ; 55.94,-53.131 ccw(c55.441,-49.41) 59.177,-49.789 ; 59.177,-49.789 ccw(c59.127,-49.784) 59.177,-49.784 ; 59.177,-49.789 ccw(c59.127,-49.784) 59.177,-49.784 ; 59.177,-49.784 ccw(c59.127,-49.784) 59.177,-49.784 ; 59.177,-49.784 59.177,-43.307 59.177,-28.906 59.177,-28.182 cw(c60.397,-28.182) 60.397,-26.962 61.087,-26.962 ; 61.087,-26.962 ccw(c61.087,-26.912) 61.137,-26.912 ; 61.087,-26.962 ccw(c61.087,-26.912) 61.137,-26.912 ; 61.087,1.951 cw(c61.087,1.901) 61.137,1.901 ; 61.087,1.951 cw(c61.087,1.901) 61.137,1.901 ; 61.137,-26.912 61.137,1.901

## Silkscreen, mask and mechanical layers (free items; w line width, h text height)
Top Overlay:
  text "PiTop USB Hub v2.0 / (c) 2018 Sorgelig" at 34.925,-70.993 h1.52

## Text inside footprints (layer, text, board x,y; h text height)
mUSB1: Mechanical 18 "AMP 787616-1" at 65.535,-15.847 h0.86 r270
U1: Mechanical 18 "FE1.1s" at 4.14,-36.843 h1.08 r270
U2: Mechanical 18 "FE1.1s" at 48.184,-36.817 h1.08 r90
USB1: Mechanical 18 "AMP 787616-1" at 24.896,-57.339 h0.86 r180
USB2-3: Mechanical 18 "AMP 787616-1" at 18.228,-21.782 h0.86
USB4: Mechanical 18 "AMP 787616-1" at 63.84,-2.175 h0.86 r270